# Altium PCB PCB1.PcbDoc (part 2 of 2)
Units mm, origin at the board's own origin, x right, y up, seen from the top; angles counter-clockwise.
Board outline 68.58 x 53.34 mm, 2 copper layers (L1, L2), stack 1.671 mm thick; 106 components, 71 nets, 327 pads, 71 vias.
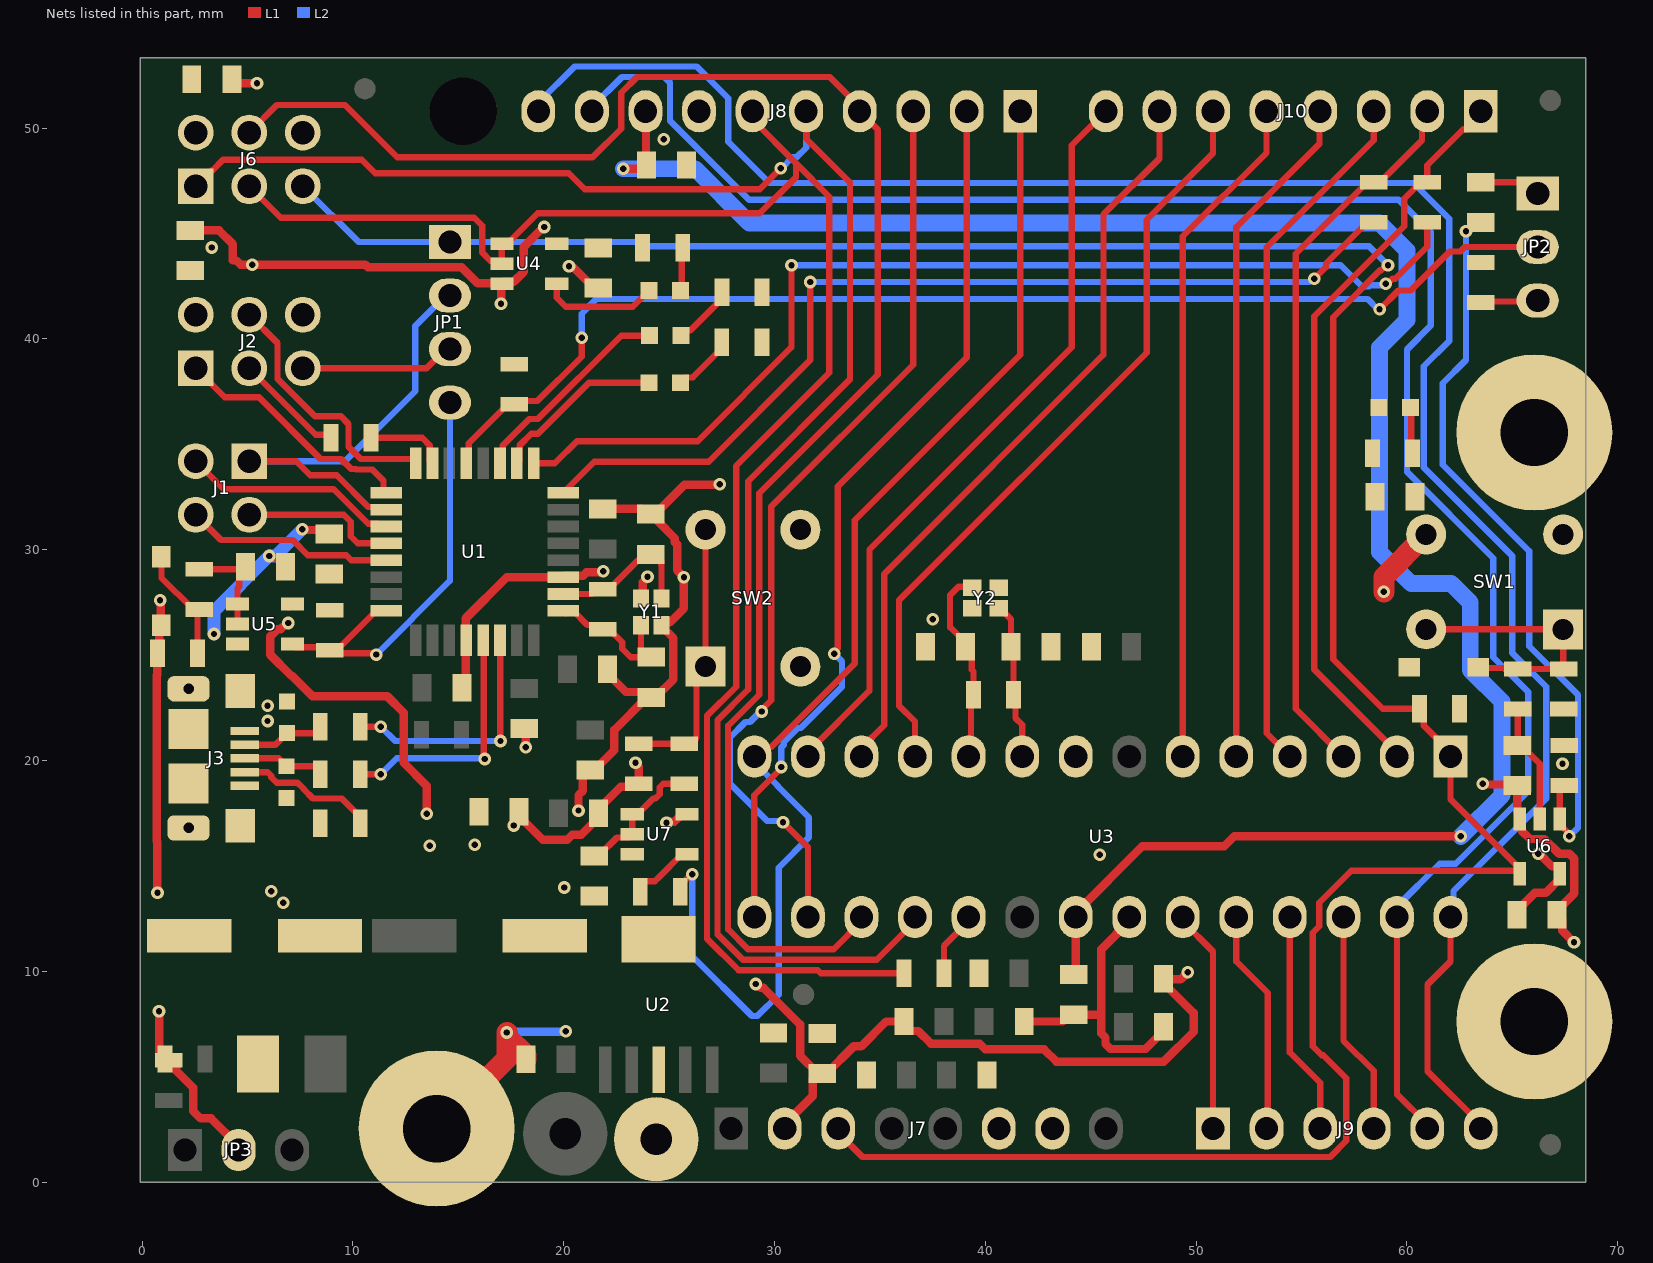
[diagram p2: the nets of this part, all layers, seen from the top]

## Via types
v1: diameter 0.6, hole 0.3, L1 to L2, tented both sides, 66 vias
v2: diameter 0.6/0.6 (per signal layer), hole 0.3, L1 to L2, tented both sides, 5 vias

## Nets (pads, with @x,y where several pads share a name; then routed paths per layer and width w, separated by ;. In a path a pad name is that pad's centre, name@x,y a point inside that pad or via, vN(x,y) a via of type N, cw(c..) or ccw(c..) an arc to the next point about the centre after c; other vN are vias at no path point) (continued)
5V/3V3: C6.2 C14.2 C17.2 C18.2 C25.2 C28.2 C29.2 C30.2 D5.1 D6.1 FB1.1 FB2.1 FB3.1 J2.2 J6.2 J7.2 JP3.2 R1.2 R2.2 R3.2 R5.2 R14.2 R15.1 R17.2 R18.1 R19.1 R21.2 R22.2 R23.2 R24.2 U4.5 U5.5 U6.5 U7.5 | length 87.6
  L1 w0.4: v1(0.725,13.725) 0.725,16.143 0.7,16.169 0.7,24.031 0.708,24.04 0.708,25.077 R22.2@0.725,25.094 ; R22.2@0.726,25.095 0.82,25.189 0.82,26.445 0.85,26.475 D5.1@0.882,26.443 ; v1(0.8,8.1) 0.82,8.08 0.82,5.926 0.97,5.776 R15.1@1.27,5.776 1.57,5.776 1.62,5.726 1.62,5.28 2.42,4.48 2.42,3.375 2.771,3.024 3.272,3.024 4.572,1.724 JP3.2@4.572,1.524 ; v1(0.85,27.6) 0.882,27.568 D5.1@0.882,26.443 ; D5.1@0.914,26.407 0.882,26.439 D5.1@0.882,26.443 ; C6.2@2.086,43.246 C6.2@2.286,43.246 2.29,43.246 C6.2@2.54,42.996 ; C18.2@2.352,52.124 C18.2@2.352,52.324 C18.2@2.446,52.23 ; J6.2@2.446,49.878 J6.2@2.54,49.784 ; v1@6.963,26.563 v1(6.925,26.525) 6.871,26.525 6.571,26.225 6.409,26.225 6.075,25.891 6.075,25.018 7.059,24.034 7.098,24.034 8.082,23.05 11.625,23.05 12.4,22.275 12.4,19.9 13.5,18.8 v1(13.5,17.475) ; U5.5@6.963,27.325 7.063,27.425 U5.5@7.125,27.425 U5.5@7.375,27.425 ; R5.2@8.875,27.15 R5.2@8.9,27.125 ; v1(17.625,16.915) 17.663,16.953 17.663,17.163 17.875,17.375 19,16.25 20.175,16.25 20.409,16.484 20.834,16.484 21.65,17.3 FB1.1@21.65,17.5 21.65,17.7 22.7,18.75 23.4,18.75 R24.2@23.55,18.9 23.55,19.696 23.4,19.846 v1(23.4,19.9) ; v1(24.875,17.05) 24.913,17.088 25.238,17.088 25.6,17.45 U7.5@25.85,17.45 ; v1(29.1,9.4) 29.154,9.4 29.342,9.212 29.479,9.212 31.208,7.483 31.208,5.996 C14.2@32.058,5.146 ; J7.2@30.48,2.54 30.48,2.746 31.808,4.074 31.808,4.896 C14.2@32.058,5.146 ; v1(49.6,9.95) 49.598,9.95 49.273,9.625 48.475,9.625 FB2.1@48.448,9.652 48.448,9.452 49.875,8.025 49.875,7.127 48.464,5.716 43.368,5.716 42.784,6.3 40,6.3 39.73,6.57 37.418,6.57 36.818,7.17 36.384,7.17 36.134,7.42 FB3.1@36.134,7.62 35.294,7.62 34.12,6.446 33.758,6.446 32.458,5.146 C14.2@32.258,5.146 C14.2@32.058,5.146 ; C29.2@65.217,12.675 65.217,12.875 66.067,13.725 66.593,13.725 67.244,14.376 67.244,14.876 67.144,14.976 66.888,14.976 66.288,15.576 v1(66.234,15.576)
  other v1: 67.375,19.85
  other v2: 3.296,44.335
16U2_16MHZ_XTAL1: C10.2 R7.1 U1.1 Y1.3 | length 7.1
  L1 w0.3: U1.1@20.1,26.975 U1.1@19.975,27.1 20.45,27.1 21.122,26.428 21.644,26.428 R7.1@21.844,26.228 22.144,26.228 22.768,25.604 22.768,25.304 23.172,24.9 C10.2@23.963,24.9 ; Y1.3@23.663,26.416 23.663,25.2 C10.2@23.963,24.9 ; C10.2@24.15,24.9 C10.2@23.963,24.9
16U2_16MHZ_XTAL2: C9.2 R7.2 U1.2 Y1.1 | length 7.4
  L1 w0.3: U1.2@19.975,27.9 21.316,27.9 21.544,28.128 R7.2@21.844,28.128 22.144,28.128 23.5,29.484 23.83,29.484 C9.2@24.13,29.784 24.33,29.784 24.63,29.484 24.63,29.284 24.638,29.276 Y1.1@24.638,27.686
16U2_BUF_R\E\S\E\T\n: C31.1 R26.2 U5.1 U5.2 | length 4.9
  L1 w0.3: R26.2@2.718,29.068 C31.1@4.768,29.068 ; U5.2@4.525,26.475 U5.1@4.525,27.425 4.525,28.175 4.6,28.25 4.6,28.9 C31.1@4.768,29.068 ; C31.1@4.9,29.2 C31.1@4.768,29.068
16U2_HDR_R\E\S\E\T\n: J2.5 JP1.3 | length 7.4
  L1 w0.3: J2.5@7.62,38.608 13.488,38.608 14.4,39.52 JP1.3@14.6,39.52
16U2_MISO: J2.1 U1.17 | length 11.7
  L1 w0.3: J2.1@2.54,38.608 3.923,37.225 5.542,37.225 8.461,34.306 9.432,34.306 9.911,33.827 10.133,33.827 10.154,33.806 10.919,33.806 11.45,33.275 11.45,32.825 U1.17@11.575,32.7
16U2_MOSI: J2.4 U1.16 | length 12.5
  L1 w0.3: J2.4@5.08,41.148 6.42,39.808 6.42,38.105 8.2,36.325 9.431,36.325 9.791,35.966 9.791,34.876 10.361,34.306 12.85,34.306 12.975,34.181 U1.16@12.975,34.1
16U2_PB4: J1.1 JP1.2 U1.18 | length 22
  L1 w0.3: J1.1@5.08,34.2 7.305,34.2 7.975,33.53 9.225,33.53 10.73,32.025 11.45,32.025 U1.18@11.575,31.9
  L2 w0.3: J1.1@5.08,34.2 9.625,34.2 12.95,37.525 12.95,40.61 14.4,42.06 JP1.2@14.6,42.06
16U2_PB5: J1.3 U1.19 | length 9.9
  L1 w0.3: J1.3@2.54,34.2 3.865,32.875 9.08,32.875 10.73,31.225 11.175,31.225 U1.19@11.2,31.2
16U2_PB6: J1.2 U1.20 | length 7.5
  L1 w0.3: J1.2@5.08,31.66 9.56,31.66 9.89,31.33 9.89,30.63 10.22,30.3 U1.20@11.575,30.3
16U2_PB7: J1.4 U1.21 | length 9.9
  L1 w0.3: J1.4@2.54,31.66 3.74,30.46 7.135,30.46 7.851,29.744 9.676,29.744 9.92,29.5 U1.21@11.575,29.5
16U2_R\E\S\E\T\n: JP1.4 R5.1 U1.24 U5.4 | length 21
  L1 w0.3: U5.4@7.125,25.525 7.275,25.375 8.75,25.375 R5.1@8.9,25.225 ; v1(11.1,25.025) 11.043,25.082 9.043,25.082 R5.1@8.9,25.225 ; U1.24@11.575,27.1 11.1,27.1 9.425,25.425 9.1,25.425 R5.1@8.9,25.225
  L2 w0.3: v1(11.1,25.025) 14.6,28.525 JP1.4@14.6,36.98
16U2_RX_LED: D2.1 U1.10 | length 8.3
  L1 w0.3: U1.10@17.775,34.1 17.9,34.225 17.9,34.945 18.455,35.5 18.775,35.5 21.197,37.922 D2.1@24.04,37.922
16U2_RXD: R12.1 U1.8 | length 46.4
  L1 w0.3: U1.8@19.6,32.8 20.075,32.8 21.45,34.175 26.875,34.175 31.7,39 v1(31.7,42.7) ; v1(55.6,42.85) 56.155,43.405 56.155,43.567 58.12,45.532 R12.1@58.42,45.532
  L2 w0.3: v1(31.7,42.7) 55.369,42.7 55.519,42.85 v1(55.6,42.85)
16U2_SCLK: J2.3 R6.2 | length 5.2
  L1 w0.3: J2.3@5.08,38.608 8.238,35.45 8.812,35.45 R6.2@8.956,35.306
16U2_SCLK_R: R6.1 U1.15 | length 3.8
  L1 w0.3: R6.1@10.856,35.306 13.289,35.306 13.65,34.945 13.65,34.225 U1.15@13.775,34.1
16U2_TX_LED: D1.1 U1.11 | length 10
  L1 w0.3: U1.11@16.975,34.1 17.1,34.225 17.1,34.945 18.355,36.2 18.768,36.2 22.725,40.157 D1.1@24.066,40.157
16U2_TXD: R11.1 U1.9 | length 50.9
  L1 w0.3: U1.9@18.575,34.1 19.575,34.1 20.625,35.15 26.35,35.15 30.8,39.6 v1(30.8,43.5) ; v1(58.99,42.61) 59.072,42.61 59.312,42.85 59.443,42.85 60.96,44.367 R11.1@60.96,45.532
  L2 w0.3: v1(30.8,43.5) 56.85,43.5 57.85,42.5 58.2,42.5 58.252,42.552 58.933,42.552 v1(58.99,42.61)
16U2PROG_328P_R\E\S\E\T\n: JP2.2 R1.1 U1.13 | length 57.2
  L1 w0.3: U1.13@15.375,34.1 15.5,34.225 15.5,35.05 17.35,36.9 R1.1@17.65,36.9 17.807,37.057 18.75,37.057 20.85,39.157 v1(20.85,40.05) ; v1(58.7,41.4) 59.596,42.296 60.171,42.296 62.022,44.147 62.53,44.147 62.705,44.322 62.707,44.322 62.745,44.36 JP2.2@66.2,44.36
  L2 w0.3: v1(20.85,40.05) 20.85,41.2 21.541,41.891 58.131,41.891 58.622,41.4 v1(58.7,41.4)
328P_16MHZ_XTAL1: C27.2 R20.1 U3.9 Y2.3 | length 7.5
  L1 w0.3: Y2.3@40.64,27.219 40.69,27.219 41.214,26.695 C27.2@41.214,25.4 41.336,25.278 R20.1@41.336,23.114 41.43,23.02 41.43,22.014 41.745,21.699 U3.9@41.745,20.193
328P_16MHZ_XTAL2: C26.2 R20.2 U3.10 Y2.1 | length 9.4
  L1 w0.3: U3.10@39.205,20.193 39.32,20.308 39.32,22.998 R20.2@39.436,23.114 39.436,24.214 39.35,24.3 39.35,25.1 C26.2@39.05,25.4 39.05,25.6 38.325,26.325 38.325,27.85 38.725,28.25 39.314,28.25 Y2.1@39.37,28.194
328P_AUTOR\E\S\E\T\n: C11.2 R21.1 U6.1 | length 35.6
  L1 w0.3: v1(62.8,45.1) 62.868,45.1 63.3,45.532 C11.2@63.5,45.532 ; R21.1@67.462,18.811 67.444,18.811 67.244,18.611 67.244,16.976 67.643,16.577 67.643,16.457 v1(67.7,16.4)
  L2 w0.3: v1(62.8,45.1) 62.8,39 61.7,37.9 61.7,34.035 65.8,29.935 65.8,25.425 68.114,23.111 68.114,16.814 v1(67.7,16.4)
328P_BUF_R\E\S\E\T\n: C32.1 R27.2 U6.2 | length 5.8
  L1 w0.3: R27.2@65.253,22.443 65.253,20.737 C32.1@65.227,20.711 65.427,20.711 66.294,19.844 U6.2@66.294,17.226
328P_R\E\S\E\T\n: J6.5 J7.3 JP1.1 R17.1 U3.1 U6.4 | length 135.2
  L1 w0.3: J7.3@33.02,2.54 33.02,2.34 34.17,1.19 56.356,1.19 57.125,1.959 57.125,4.925 56.025,6.025 55.95,6.025 55.525,6.45 55.525,11.827 55.835,12.137 55.835,13.249 57.361,14.775 65.195,14.775 U6.4@65.344,14.626 65.344,14.876 62.065,18.155 U3.1@62.065,20.193 62.065,20.393 60.794,21.664 60.794,22.254 R17.1@60.594,22.454 58.846,22.454 56.5,24.8 56.5,41.025 57.784,42.309 57.784,42.322 58.721,43.26 58.778,43.26 59.019,43.5 v1(59.1,43.5)
  L2 w0.3: J6.5@7.62,47.244 10.264,44.6 JP1.1@14.6,44.6 23.69,44.6 23.89,44.4 58.2,44.4 v1(59.1,43.5)
+5V_USB: C7.1 J3.1 L1.1
  other v2: 6.7,13.25 6.125,13.8 5.95,21.875 5.95,22.6
AD0: J9.1 U3.23 | length 10.6
  L1 w0.3: U3.23@49.365,12.573 49.365,12.373 50.8,10.938 J9.1@50.8,2.54
AD1: J9.2 U3.24 | length 10.7
  L1 w0.3: U3.24@51.905,12.573 51.905,10.47 53.4,8.975 53.4,2.6 J9.2@53.34,2.54
AD2: J9.3 U3.25 | length 10.6
  L1 w0.3: U3.25@54.445,12.573 54.445,6.153 55.88,4.718 J9.3@55.88,2.54
AD3: J9.4 U3.26 | length 10.6
  L1 w0.3: U3.26@56.985,12.573 56.985,6.715 58.42,5.28 J9.4@58.42,2.54
AD4/SDA: J8.9 J9.5 U3.27 | length 93.7
  L1 w0.3: U3.27@59.525,12.573 59.525,4.175 60.96,2.74 J9.5@60.96,2.54
  L2 w0.3: J8.9@21.336,50.8 21.336,51 22.761,52.425 24.775,52.425 25.038,52.162 25.038,50.352 28.79,46.6 59.6,46.6 61.127,45.073 61.127,44.335 61.134,44.328 61.134,40.634 60,39.5 60,33.7 64.1,29.6 64.1,24.9 65.75,23.25 65.75,18.539 62.311,15.1 61.551,15.1 59.525,13.074 U3.27@59.525,12.573
AD5/SCL: J8.10 J9.6 U3.28 | length 98
  L1 w0.3: U3.28@62.065,12.573 62.065,10.465 60.975,9.375 60.975,5.265 63.5,2.74 J9.6@63.5,2.54
  L2 w0.3: J8.10@18.796,50.8 18.796,51.195 20.526,52.925 26.3,52.925 27.806,51.419 27.806,49.35 29.756,47.4 60.3,47.4 62,45.7 62,39.9 60.8,38.7 60.8,33.9 65,29.7 65,25.1 66.6,23.5 66.6,18.2 62.203,13.803 62.203,12.711 U3.28@62.065,12.573
AREF: C21.2 C24.2 J8.8 U3.21 | length 97.9
  L1 w0.4: v1(22.823,48.075) 23.75,48.075 C21.2@23.925,48.25 23.901,48.274 23.901,50.775 J8.8@23.876,50.8 ; C24.2@44.196,9.84 44.285,9.929 U3.21@44.285,12.573 44.285,12.773 47.437,15.925 51.325,15.925 51.8,16.4 v1(62.55,16.4)
  L2 w0.8: v1(22.823,48.075) 26.225,48.075 28.8,45.5 58.7,45.5 60,44.2 60,40.9 58.7,39.6 58.7,29.9 60.2,28.4 62.102,28.4 63,27.502 63,24.3 64.5,22.8 64.5,18.35 v1(62.55,16.4)
BUTTON_R\E\S\E\T\n: D6.2 R23.1 R27.1 SW1.1 SW1.2 | length 12.4
  L1 w0.3: SW1.2@60.91,26.223 SW1.1@67.41,26.223 67.41,24.37 67.384,24.343 R27.1@65.253,24.343 65.207,24.389 63.428,24.389 D6.2@63.382,24.435
CON_USB_N: J3.2 R8.1 Z1.2 | length 4
  L1 w0.3: J3.2@4.875,20.75 6.325,20.75 Z1.2@6.875,21.3 8.25,21.3 8.45,21.5 R8.1@8.45,21.6
CON_USB_P: J3.3 R9.1 Z2.2 | length 4
  L1 w0.3: J3.3@4.875,20.1 6.475,20.1 Z2.2@6.85,19.725 8.25,19.725 8.45,19.525 R9.1@8.45,19.35
GND: C1.1 C2.1 C3.1 C4.1 C5.1 C6.1 C7.2 C8.2 C9.1 C10.1 C12.1 C13.1 C14.1 C15.1 C16.1 C17.1 C18.1 C19.1 C20.1 C21.1 C22.1 C23.1 C24.1 C25.1 C26.1 C27.1 C28.1 C29.1 C30.1 C31.2 C32.2 C33.2 D4.1 J2.6 J3.5 J3.6 J3.7 J3.8 J3.9 J3.10 J3.11 J5.1 J6.6 J7.6 J7.7 J8.7 MH1.1 MH2.1 MH3.1 R10.2 R13.1 SW1.3 SW1.4 SW2.3 SW2.4 U1.3 U1.28 U2.3 U2.6 U3.8 U3.22 U4.3 U5.3 U6.3 U7.3 Y1.2 Y1.4 Y2.2 Y2.4 Z1.1 Z2.1 | length 112.5
  L1 w0.4: C6.1@2.286,45.146 3.654,45.146 4.3,44.5 4.3,43.718 4.473,43.718 4.666,43.525 v1(5.225,43.525) 10.59,43.525 10.715,43.4 15.157,43.4 15.914,42.643 17.032,42.643 U4.3@17.064,42.611 ; C18.1@4.252,52.324 4.451,52.125 v1(5.45,52.125) ; v1(6.025,29.7) 6.079,29.7 6.129,29.65 6.55,29.65 6.8,29.4 C31.2@6.8,29.2 C31.2@6.8,29 ; v1(7.6,30.975) 7.638,30.937 8.688,30.937 C28.1@8.875,30.75 ; C5.1@15.175,23.45 15.325,23.6 15.325,24.025 15.35,24.05 15.35,25.25 U1.28@15.375,25.275 ; U1.28@15.375,25.7 15.35,25.725 15.35,26.253 15.35,26.75 17.3,28.7 U1.3@19.975,28.7 20.05,28.775 20.925,28.775 21.075,28.925 21.181,28.925 21.195,28.94 21.837,28.94 v1(21.875,28.978) v1@21.856,28.978 ; v1(17.025,41.675) 17.045,41.695 17.045,42.591 U4.3@17.064,42.611 ; C4.1@18.125,21.525 18.2,21.45 v1(18.2,20.625) ; v1(19.067,45.309) 19.046,45.309 18.107,44.37 18.107,43.188 17.63,42.711 17.164,42.711 U4.3@17.064,42.611 ; v1(20.25,43.45) 20.288,43.412 20.437,43.412 21.441,42.408 C25.1@21.641,42.408 ; v1(20.7,17.625) 20.7,18.357 20.9,18.557 20.9,19.4 21.05,19.55 21.45,19.55 22.4,20.5 22.4,21.45 23.95,23 C10.1@24.15,23 ; C3.1@21.844,31.938 23.676,31.938 23.93,31.684 C9.1@24.13,31.684 C9.1@24.33,31.684 ; C2.1@22.075,24.325 22.075,24.125 22.95,23.25 23.9,23.25 C10.1@24.15,23 ; Y1.4@23.663,27.686 23.75,27.774 23.75,28.446 23.975,28.671 v1(23.975,28.725) ; v1(27.4,33.1) 27.381,33.081 25.727,33.081 C9.1@24.33,31.684 ; C22.1@41.844,7.62 43.676,7.62 43.996,7.94 C24.1@44.196,7.94 45.44,7.94 45.5,8 ; U3.22@46.825,12.573 46.825,12.373 45.5,11.048 45.5,8 ; C19.1@48.448,7.366 48.448,7.166 47.598,6.316 45.932,6.316 45.698,6.55 45.698,6.852 45.5,7.05 45.5,8 ; v1(63.6,18.9) 63.638,18.862 65.177,18.862 C32.2@65.227,18.811 65.227,17.593 65.344,17.476 U6.3@65.344,17.226 65.444,17.126 65.444,16.66 65.828,16.276 66.524,16.276 67.224,15.576 67.71,15.576 67.944,15.341 67.944,13.702 67.117,12.875 C29.1@67.117,12.675 67.367,12.425 67.367,11.933 v1(67.925,11.375) ; C10.1@24.15,23 24.35,23 25.2,23.85 25.2,25.804 24.638,26.366 24.638,26.466 24.726,26.554 25.038,26.554 25.7,27.216 v1(25.7,28.7) 25.375,29.025 25.375,30.249 25.275,30.349 25.275,30.539 24.48,31.334 24.48,31.534 C9.1@24.33,31.684
  L1 w1: MH1.1@13.97,2.54 17.3,5.87 v1(17.3,7.1) 17.338,7.062 17.338,6.887 18.2,6.025 C12.1@18.2,5.825 ; v1(58.9,28) 58.9,28.713 SW1.4@60.91,30.723
  L2 w0.4: v1(17.3,7.1) 17.325,7.125 20.075,7.125 v1(20.1,7.15)
  L2 w0.6: v1(3.407,26) 3.407,27.082 v1(6.025,29.7) 6.325,29.7 v1(7.6,30.975)
  other v1: 20.025,13.975 45.425,15.525 13.65,15.95 15.775,16 37.5,26.7 24.75,49.475
IO0: J10.1 R11.2 U3.2 | length 35.8
  L1 w0.3: U3.2@59.525,20.193 59.525,20.393 55.6,24.318 55.6,41.075 59.875,45.35 59.875,46.647 60.66,47.432 R11.2@60.96,47.432 60.96,48.232 62.678,49.95 62.85,49.95 63.5,50.6 J10.1@63.5,50.8
IO1: J10.2 R12.2 U3.3 | length 34.5
  L1 w0.3: U3.3@56.985,20.193 54.725,22.453 54.725,44.037 58.12,47.432 R12.2@58.42,47.432 58.72,47.432 60.711,49.423 60.711,50.551 J10.2@60.96,50.8
IO2: J10.3 U3.4 | length 33.2
  L1 w0.3: U3.4@54.445,20.193 53.35,21.288 53.35,44.347 58.42,49.417 J10.3@58.42,50.8
IO3: J10.4 U3.5 | length 32.3
  L1 w0.3: U3.5@51.905,20.193 51.905,45.305 55.85,49.25 55.85,50.77 J10.4@55.88,50.8
IO4: J10.5 U3.6 | length 32.3
  L1 w0.3: U3.6@49.365,20.193 49.365,44.865 53.34,48.84 J10.5@53.34,50.8
IO5: J10.6 U3.11 | length 37.1
  L1 w0.3: U3.11@36.665,20.193 36.665,21.835 35.9,22.6 35.9,27.6 47.65,39.35 47.65,45.65 50.8,48.8 J10.6@50.8,50.8
IO6: J10.7 U3.12 | length 36.5
  L1 w0.3: U3.12@34.125,20.193 34.125,20.594 35.2,21.669 35.2,28.85 45.6,39.25 45.6,45.9 48.26,48.56 J10.7@48.26,50.8
IO7: J10.8 U3.13 | length 36.5
  L1 w0.3: U3.13@31.585,20.193 31.585,20.393 34.5,23.308 34.5,30 44.1,39.6 44.1,49.18 J10.8@45.72,50.8
IO8: J8.1 R25.2 U3.14 | length 59.7
  L1 w0.3: R25.2@25.525,13.775 25.525,14.075 26.05,14.6 v1(26.1,14.6) ; U3.14@29.045,20.193 29.494,20.642 29.842,20.642 33.8,24.6 33.8,31.4 41.656,39.256 J8.1@41.656,50.8
  L2 w0.3: v1(26.1,14.6) 26.1,10.707 28.929,7.878 29.178,7.878 30.195,8.895 30.195,14.92 31.625,16.35 31.625,17.3 30.15,18.775 30.15,18.8 29.045,19.905 U3.14@29.045,20.193
IO9: J8.2 U3.15 | length 42.8
  L1 w0.3: U3.15@29.045,12.573 29.035,12.583 29.035,18.357 30.32,19.641 v1(30.32,19.695) ; v1(32.832,25.068) 32.832,25.149 33,25.316 33,33 39.116,39.116 J8.2@39.116,50.8
  L2 w0.3: v1(30.32,19.695) 30.32,20.62 30.435,20.735 30.435,20.869 31.109,21.543 31.243,21.543 33.2,23.5 33.2,24.7 v1(32.832,25.068)
MISO: J6.1 J8.5 U3.18 | length 85.9
  L1 w0.3: J6.1@2.54,47.244 3.28,47.984 3.317,47.984 3.833,48.5 10.418,48.5 11.059,47.859 20.241,47.859 21,47.1 29.3,47.1 v1(30.3,48.1) ; J8.5@31.496,50.8 31.496,49.504 33.575,47.425 33.575,38.075 28.75,33.25 28.75,23.373 27.295,21.918 27.295,11.755 28.5,10.55 34.842,10.55 36.665,12.373 U3.18@36.665,12.573
  L2 w0.3: v1(30.3,48.1) 30.332,48.1 30.846,48.614 31.039,48.614 31.496,49.071 J8.5@31.496,50.8
MOSI: J6.4 J8.4 U3.17 | length 83.5
  L1 w0.3: J6.4@5.08,49.784 6.396,51.1 9.613,51.1 12.1,48.612 21.362,48.612 22.726,49.976 22.726,51.676 23.475,52.425 32.611,52.425 34.036,51 J8.4@34.036,50.8 34.9,49.936 34.9,38.3 29.275,32.675 29.275,23.125 27.795,21.645 27.795,11.997 28.742,11.05 32.802,11.05 34.125,12.373 U3.17@34.125,12.573
NetC11_1: C11.1 JP2.1 | length 2.9
  L1 w0.3: C11.1@63.5,47.432 65.668,47.432 JP2.1@66.2,46.9
NetD1_2: D1.2 R2.1 | length 3
  L1 w0.3: D1.2@25.566,40.157 25.816,40.407 26.011,40.407 27.508,41.904 R2.1@27.508,42.204
NetD2_2: D2.2 R3.1 | length 2.9
  L1 w0.3: D2.2@25.54,37.922 25.79,38.172 26.122,38.172 27.5,39.55 R3.1@27.5,39.85
NetD3_1: D3.1 U4.4 | length 5.5
  L1 w0.3: U4.4@19.664,42.611 19.664,41.961 20.1,41.525 23.274,41.525 D3.1@24.04,42.291
NetD3_2: D3.2 R18.2 | length 2.1
  L1 w0.3: D3.2@25.54,42.291 25.59,42.34 25.59,44.274 R18.2@25.639,44.323
NetD4_2: D4.2 R19.2 | length 2.2
  L1 w0.3: D4.2@60.161,36.754 60.21,36.705 60.21,34.619 R19.2@60.259,34.569
NetD5_2: D5.2 R22.1 R26.1 | length 5.5
  L1 w0.3: D5.2@0.914,29.677 0.914,28.671 2.418,27.168 R26.1@2.718,27.168 2.626,27.076 R22.1@2.626,25.095
NetJ3_4: J3.4 R10.1 | length 6.7
  L1 w0.3: J3.4@4.875,19.45 5.949,19.45 6.125,19.274 6.125,19.205 6.38,18.95 7.37,18.95 7.663,18.657 7.663,18.643 8.105,18.2 9.466,18.2 10.348,17.318 R10.1@10.348,17.018
NetJP2_3: JP2.3 R13.2 | length 2.7
  L1 w0.3: R13.2@63.5,41.722 63.549,41.771 66.151,41.771 JP2.3@66.2,41.82
NetR25_1: R25.1 U7.4 | length 3.1
  L1 w0.3: R25.1@23.625,13.775 23.625,14.075 23.825,14.275 24.325,14.275 24.525,14.475 25.6,15.55 U7.4@25.85,15.55
SCK: J6.3 J8.6 R16.2 U4.1 U4.2 | length 84.3
  L1 w0.3: J6.3@5.08,47.244 6.574,45.75 15.745,45.75 16.132,45.363 16.132,44.098 16.519,43.711 16.914,43.711 U4.2@17.064,43.561 17.064,43.711 U4.1@17.064,44.511 17.314,44.511 18.762,45.959 29.303,45.959 31.016,47.671 31.016,48.335 ; J8.6@28.956,50.8 28.956,50.394 31.016,48.335 ; R16.2@36.134,9.906 32.185,9.906 32.041,10.05 28.293,10.05 26.795,11.548 26.795,22.125 28.175,23.505 28.175,33.975 32.6,38.4 32.6,46.75 31.016,48.335
SCK_R: R16.1 U3.19 | length 3.2
  L1 w0.3: R16.1@38.034,9.906 38.034,11.202 39.205,12.373 U3.19@39.205,12.573
SS: J8.3 U3.16 | length 43.9
  L1 w0.3: v1(29.397,22.328) 29.397,22.409 29.85,22.862 29.85,32.05 36.576,38.776 J8.3@36.576,50.8 ; v1(30.4,17.075) 31.585,15.89 U3.16@31.585,12.573
  L2 w0.3: v1(29.397,22.328) 29.334,22.328 28.835,21.829 28.623,21.829 27.875,21.081 27.875,18.911 29.653,17.132 30.343,17.132 v1(30.4,17.075)
USB_N: R8.2 U1.30 | length 11.7
  L1 w0.3: R8.2@10.35,21.6 v1(11.325,21.6) ; U1.30@16.975,25.7 16.987,25.688 16.987,20.936 v1(16.998,20.924)
  L2 w0.3: v1(11.325,21.6) 12.001,20.924 v1(16.998,20.924)
USB_P: R9.2 U1.29 | length 11.9
  L1 w0.3: R9.2@10.35,19.35 v1(11.325,19.35) ; U1.29@16.175,25.7 16.2,25.675 16.2,20.125 v1(16.25,20.075)
  L2 w0.3: v1(11.325,19.35) 12.075,20.1 16.225,20.1 v1(16.25,20.075)
USER_BUTTON: R24.1 R28.1 SW2.1 SW2.2 | length 13.1
  L1 w0.3: R24.1@23.55,20.8 R28.1@25.725,20.8 26.025,20.8 26.295,21.07 26.295,24.435 26.725,24.865 26.725,30.505 SW2.2@26.295,30.935
USER_BUTTON_BUF: C33.1 R28.2 U7.1 U7.2 | length 6.4
  L1 w0.3: C33.1@21.45,15.475 21.65,15.475 22.525,16.35 23.1,16.35 U7.2@23.25,16.5 U7.1@23.25,17.45 23.5,17.45 24.25,18.2 24.345,18.2 24.55,18.405 24.55,18.724 24.726,18.9 R28.2@25.725,18.9
pads on no net: FID1.1 FID2.1 FID3.1 FID4.1 J7.1 J7.8 MH4.1 U1.5 U1.6 U1.7 U1.12 U1.14 U1.22 U1.23 U1.25 U1.26

## Polygon pours and split planes (outlines as drawn)
GND on L2 "GND_L02_P011" (solid, pour order 11): 27.6,53 4.8,53 4,52.2 4,51.9 4.9,51 6,51 6,45 3.5,42.5 3.5,31 5.2,29.3 7.7,29.3 7.9,29.5 13.5,29.5 27.6,43.6
GND on L2 "GND_L02_P010" (solid, pour order 10): 68.3,39.8 51.2,39.8 40.9,29.5 40.9,4.6 39.6,3.3 39.6,1.5 40.4,0.7 40.6,0.9 68.1,0.9 68.1,12.6 67.7,13 66.2,11.5 64.8,11.5 61.8,8.5 49.3,8.5 47.4,10.4 47.7,10.7 47.7,14.9 61.9,14.9 65.8,18.8 65.4,19.2 65.4,22.4 68.3,25.3
GND on L2 "GND_L02_P009" (solid, pour order 9): 25.8,34.5 21,29.7 21,23.9 20.6,23.9 17.5,20.8 17.6,20.7 17.6,19 18.1,19 19.3,17.8 19,17.5 19,16.1 16.7,16.1 16.3,16.5 13,16.5 13,14.8 15.4,12.4 20.9,12.4 21.8,13.3 21.8,20.7 24.3,23.2 31.6,23.2 32.6,24.2 32.4,24.4 32.4,25.9 38,25.9 37.9,26 37.9,31.2 34.6,34.5
5V/3V3 on L2 "5V/3V3_L02_P007" (solid, pour order 7): 48.4,9.2 48.4,10.8 48.8,11.2 49.9,11.2 50.7,12 50.7,13.7 51.6,14.6 64.1,14.6 65,15.5 65,19.5 67.1,21.6 67.9,21.6 68.3,21.2 68.3,15.7 67.2,14.6 66.8,14.2 66.3,13.5 66.3,11.9 64.4,11.9 61.7,9.2
5V/3V3 on L2 "5V/3V3_L02_P005" (solid, pour order 5): 0.3,51 5.2,51 5.2,44.7 3.3,42.8 3.3,35.8 3.3,30.1 4.2,29.2 7.4,29.2 8.5,28.1 8.5,24.7 1,24.7 1,7.3 0.3,6.6
5V on L2 "5V_L02_P002" (solid, pour order 2): 5.8,0.3 5.8,3.5 6.4,3.5 10.3,7.4 16.7,7.4 16.7,6.685 18,6.1 19.2,6.4 31.1,6.4 34.4,3.1 34.4,1.3 36.3,1.3 36.9,1.9 36.9,6.2 40,6.2 40.6,5.6 39.4,4.4 39.4,0.3
5/3V3_328P_VCC on L2 "5/3V3_328P_VCC_L02_P000" (solid, pour order 0): 47.6,17.5 47.535,17.435 47.535,11.142 47.831,10.845 48.261,10.845 48.585,11.17 48.585,17.315 48.4,17.5
5V/3V3 on L2 "5V/3V3_L02_P008" (solid, pour order 8): 12.6,18.5 12.6,16.7 16.8,16.7 17.3,16.2 18.6,16.2 18.6,17.9 18.3,18.2 13.9,18.2 13.6,18.5
5/3V3_16U2 on L2 "5/3V3_16U2_L02_P001" (solid, pour order 1): 21.2,25.8 20.5,25.1 19.8,25.1 19.4,25.5 19.4,29.6 21.3,31.5 22.2,31.5 22.45,31.25 22.45,30.35 21.1,29 21.2,28.543
5V/3V3 on L2 "5V/3V3_L02_P006" (solid, pour order 6): 29.7,9 29.078,8.378 28.356,9.1 28.3,9.1 28.3,9.9 25.8,12.4 25.8,13.4 24.1,15.1 24.1,17.1 22.5,18.7 22.5,20.5 23.2,21.2 24,21.2 24.7,20.5 24.7,19.1 27.7,16.1 27.7,12 29.7,10
+5V_USB on L2 "+5V_USB_L02_P004" (solid, pour order 4): 5.5,23.2 5.5,23 5.5,12.6 7.3,12.6 7.3,22.3 6.4,23.2
3V3 on L2 "3V3_L02_P003" (solid, pour order 3): 0.3,0.3 3.3,0.3 3.3,2.4 4.8,3.9 6.3,3.9 10.2,7.8 20.9,7.8 20.9,7 21.4,6.5 31.3,6.5 34.7,3.1 34.7,1.6 36.3,1.6 36.6,1.9 36.6,6.3 34.1,8.8 2.9,8.8 2.9,8.2 0.3,5.6
GND on L1 "GND_L01_P026" (solid, pour order 26): 25.1,52 25.1,50.3 24.3,49.5 24.3,49.2 25,48.5 25,47.4 26.7,47.4 27.8,48.5 27.8,51.6 27.4,52
GND on L1 "GND_L01_P025" (solid, pour order 25): 34.4,6 33.9,6 33.3,5.4 33.3,4.6 33.6,4.3 35.3,4.3 35.6,4.6 35.6,5.9 36.6,5.9 36.85,5.65 36.8,5.6 36.8,4 37.2,3.6 39.4,3.6 39.4,1.5 44,1.5 44.7,2.2 44.1,2.8 44.1,4.4 42.5,6 37.5,6 37,6.5 34.9,6.5
GND on L1 "GND_L01_P024" (solid, pour order 24): 5.1,26 3.9,26 3.4,26.5 2.9,26.5 2.9,26 3.9,25 3.9,24.5 3.6,24.2 1.3,24.2 1,23.9 1,13.4 0.1,12.5 0.1,10.7 1.1,9.7 4.4,9.7 4.9,10.2 4.9,15.5 8.5,15.5 10,14 12.9,14 14.3,15.4 14.3,16.7 12,16.7 11.5,17.2 11.3,17 11.3,16.2 9.8,16.2 9.1,16.9 9.1,17.8 7.9,17.8 7.269,18.431 7.269,18.666 6.101,18.666 5.568,19.2 3.6,19.2 3.6,21.88 4.145,22.425 4.181,22.389 5.488,22.389 5.488,22.873 5.643,23.028 5.649,23.022 6.233,23.022 6.365,22.89 6.365,22.419 6.651,22.133 7.51,22.133 7.51,23.123 5.2,25.433 5.2,25.9
GND on L1 "GND_L01_P022" (solid, pour order 22): 25.2,4.1 26.3,4.1 26.9,3.5 26.8,3.4 26.8,0.2 22.7,0.2 22.3,0.6 22.3,3.4 22.9,4 23.8,4 24.1,4.3 24.1,5.98 23.28,6.8 19.8,6.8 19.8,6.969 19.5,7.269 19.931,7.7 20,7.7 20,7.8 16.2,11.6 16.2,14.5 15.1,15.6 15.2,15.7 15.2,17.9 15.3,17.9 16,18.6 16.1,18.5 17,18.5 17,17 19.5,14.5 21.8,14.5 22.5,15.2 22.5,16 24.2,16 24.1,15.9 24.1,14.9 23.7,14.9 22.9,14.1 23,14 23,12.9 26.2,12.9 26.5,12.6 26.5,8.6 29.6,8.6 30.8,7.4 30.8,6.2 28.1,6.2 27.7,6.6 25.6,6.6 25.1,6.1 25.1,4.2
GND on L1 "GND_L01_P021" (solid, pour order 21): 37.1,26.7 36.5,26.1 36.5,24.6 37.3,23.8 37.3,21.2 37.6,20.9 37.6,18.9 40.1,16.4 40.1,11.8 38.6,10.3 38.6,9 32.9,9 31.5,7.6 31.5,6.1 33.3,6.1 35.5,8.3 39,8.3 41,10.3 41,13.5 45.6,13.5 45.9,13.2 45,12.3 45,8.7 41.3,8.7 40.9,8.3 40.9,6.8 44.3,6.8 45,6.1 48.1,6.1 49.2,7.2 49,7.4 49,8.3 47.6,8.3 47.3,8.6 47.6,8.9 47.6,10.5 47.9,10.5 48.8,11.4 47.8,12.4 47.8,14.5 45.6,16.7 45.6,27.3 45.9,27.6 44.1,29.4 38.7,29.4 37.1,27.8
GND on L1 "GND_L01_P020" (solid, pour order 20): 62.6,44 57.263,38.663 58.475,32.472 60.2,29.443 60.764,29.443 61.075,29.443 61.911,29.956 62.424,29.443 68.215,29.443 68.215,31.985 68.2,32 68.2,43.1 67.3,44
5V/3V3 on L1 "5V/3V3_L01_P019" (solid, pour order 19): 68.1,19 68,18.9 65.3,18.9 61.7,22.5 58.2,22.5 58.2,23.8 55,27 55,36.5 56.9,38.4 57.8,38.4 61.5,32.8 63.7,25.2 65,23.9 67.9,23.9 68.1,23.7
5V/3V3 on L1 "5V/3V3_L01_P018" (solid, pour order 18): 8.3,29.4 6.7,27.8 5.6,27.8 5.6,25.6 5.9,25.3 7.6,25.3 7.6,25.5 8.6,26.5 10,26.5 10,28.6 10.3,28.9 9.8,29.4 9.5,29.4
5V/3V3 on L1 "5V/3V3_L01_P017" (solid, pour order 17): 3.7,43.1 10.4,43.1 12.4,41.1 17.4,41.1 17.8,41.5 17.8,42.5 18.4,43.1 18.4,44.2 19.2,45 23.1,45 23.8,45.7 28.2,45.7 30.3,43.6 30.3,39.6 29.5,38.8 28.5,38.8 28.1,39.2 28.1,42.9 26.1,44.9 26.1,45 26,45.1 24.8,45.1 24.5,44.8 24.5,43.7 24.1,43.3 21.2,43.3 20.6,43.9 19.2,43.9 19,43.7 19,42.5 18.5,42 18.5,37.9 17.2,37.9 15.8,39.3 15.8,39.9 15.3,40.4 11.3,40.4 9.5,42.2 4.1,42.2 3.7,41.8 3.7,39.8 1.2,39.8 0.3,40.7 0.3,53 3.7,53
+5V_USB on L1 "+5V_USB_L01_P016" (solid, pour order 16): 6.3,22.9 5.5,22.9 5.5,22.2 4.2,22.2 3.8,21.8 3.8,21.4 4.1,21.1 6,21.1 6.6,21.7 6.6,22.6
5V on L1 "5V_L01_P014" (solid, pour order 14): 22,0.3 22.1,0.4 22.1,3.7 22.4,3.7 23,4.3 24.1,4.3 24.1,6.224 23.524,6.8 19.8,6.8 19.8,7.5 15.8,11.5 15.8,13.2 11,13.2 10.8,13 10.8,10.5 9.9,10.5 7.2,7.8 7.2,4.6 5.7,4.6 5.3,4.6 3.7,4.6 3.7,6.2 2.7,7.2 2.1,7.2 2.1,5.7 2.4,5.4 2.4,5.1 2.9,4.6 2.9,4 4.3,2.6 5.7,2.6 5.7,0.3
GND on L1 "GND_L01_P023" (solid, pour order 23): 31.7,32.2 30.7,32.2 30.1,31.6 30.1,23.5 31.8,23.5 32.4,24.1 32.4,31.7 32.2,31.7
+5V_USB on L1 "+5V_USB_L01_P015" (solid, pour order 15): 6.6,5.1 6.6,8.3 9,10.7 10.6,10.7 10.6,12.7 8.2,12.7 6,14.9 5.3,14.9 5.3,9.442 4.2,8.342 4.2,5.1

## Silkscreen, mask and mechanical layers (free items; w line width, h text height)
Top Overlay:
  text "ICSP" at 4.2,44.6 h1
  text "U" at 30.6,41.7 h1
  text "TX" at 21,39.7 h1
  text "RX" at 21,37.4 h1
  text "ICSP1" at 3.775,36 h1
  text "BRAIN.DLL" at 29.7,34.5 h3
  text "USER" at 33,29.8 h1 r270
  text "RESET" at 59.3,26.2 h1 r90
Bottom Overlay:
  text "SCL" at 19.334,49.2 h2.2 r90
  text "IO4" at 54.034,49.2 h2.2 r90
  text "IO3" at 56.534,49.2 h2.2 r90
  text "IO2" at 59.034,49.2 h2.2 r90
  text "IO1" at 61.734,49.2 h2.2 r90
  text "IO0" at 64.234,49.2 h2.2 r90
  text "SS" at 37.334,49.1 h2.2 r90
  text "IO9" at 39.734,49.1 h2.2 r90
  text "IO8" at 42.334,49.1 h2.2 r90
  text "IO7" at 46.534,49.1 h2.2 r90
  text "IO6" at 49.034,49.1 h2.2 r90
  text "IO5" at 51.534,49.1 h2.2 r90
  text "SDA" at 21.934,49 h2.2 r90
  text "AREF" at 24.51,49 h2.2 r90
  text "GND" at 27.134,49 h2.2 r90
  text "SCK" at 29.634,49 h2.2 r90
  text "MISO" at 32.234,49 h2.2 r90
  text "MOSI" at 34.834,49 h2.2 r90
Board Outline:
  lines w0.3: 0,0 0,53.34 68.58,53.34 68.58,0 0,0
Mechanical Drawing:
  circle w1.016: c66.04,35.56 r1.6
  circle w1.016: c66.04,7.62 r1.6
  circle w1.016: c13.97,2.54 r1.6
  circle w1.016: c15.24,50.8 r1.6
  lines w1.016: 0,0 68.58,0 68.58,53.34 0,53.34 0,0
  text "Mechanical Drawing" at 5.526,80.098 h3.5
  text "of 28 PIN" at 11.368,73.344 h3.5
  text "'.VersionRevision'" at 47.182,73.344 h3.5
  text "Units : mils" at -20.428,-5.188 h1.5
  text "Scale : 1:1" at -20.682,-8.49 h1.5
Top Assembly:
  text "Assembly TOP of 28 PIN" at 8.5,65.766 h2
  text "'.VersionRevision'" at 56,65.5 h2
  text "'.VariantName'" at 21.3,61.4 h2

## Dimensions
0,0 to 68.58,0 on Mechanical Drawing
0,0 to 0,53.34 on Mechanical Drawing

## Text inside footprints (layer, text, board x,y; h text height)
J1: Top Overlay "1" at 6.954,33.754 h1
J2: Top Overlay "1" at 3.048,36.449 h1 r90
J6: Top Overlay "1" at 0.354,46.804 h1
J7: Top Overlay "1" at 28.448,0.254 h1 r90
J8: Top Overlay "1" at 41.148,53.086 h1 r270
J9: Top Overlay "1" at 51.308,0.254 h1 r90
J10: Top Overlay "1" at 62.992,53.086 h1 r270
JP1: Top Overlay "1" at 12.314,44.092 h1
JP2: Top Overlay "1" at 67.93,46.393 h1
JP3: Top Overlay "1" at 2.54,-0.762 h1 r90